# KiCad board r1_panel.kicad_pcb (continued)
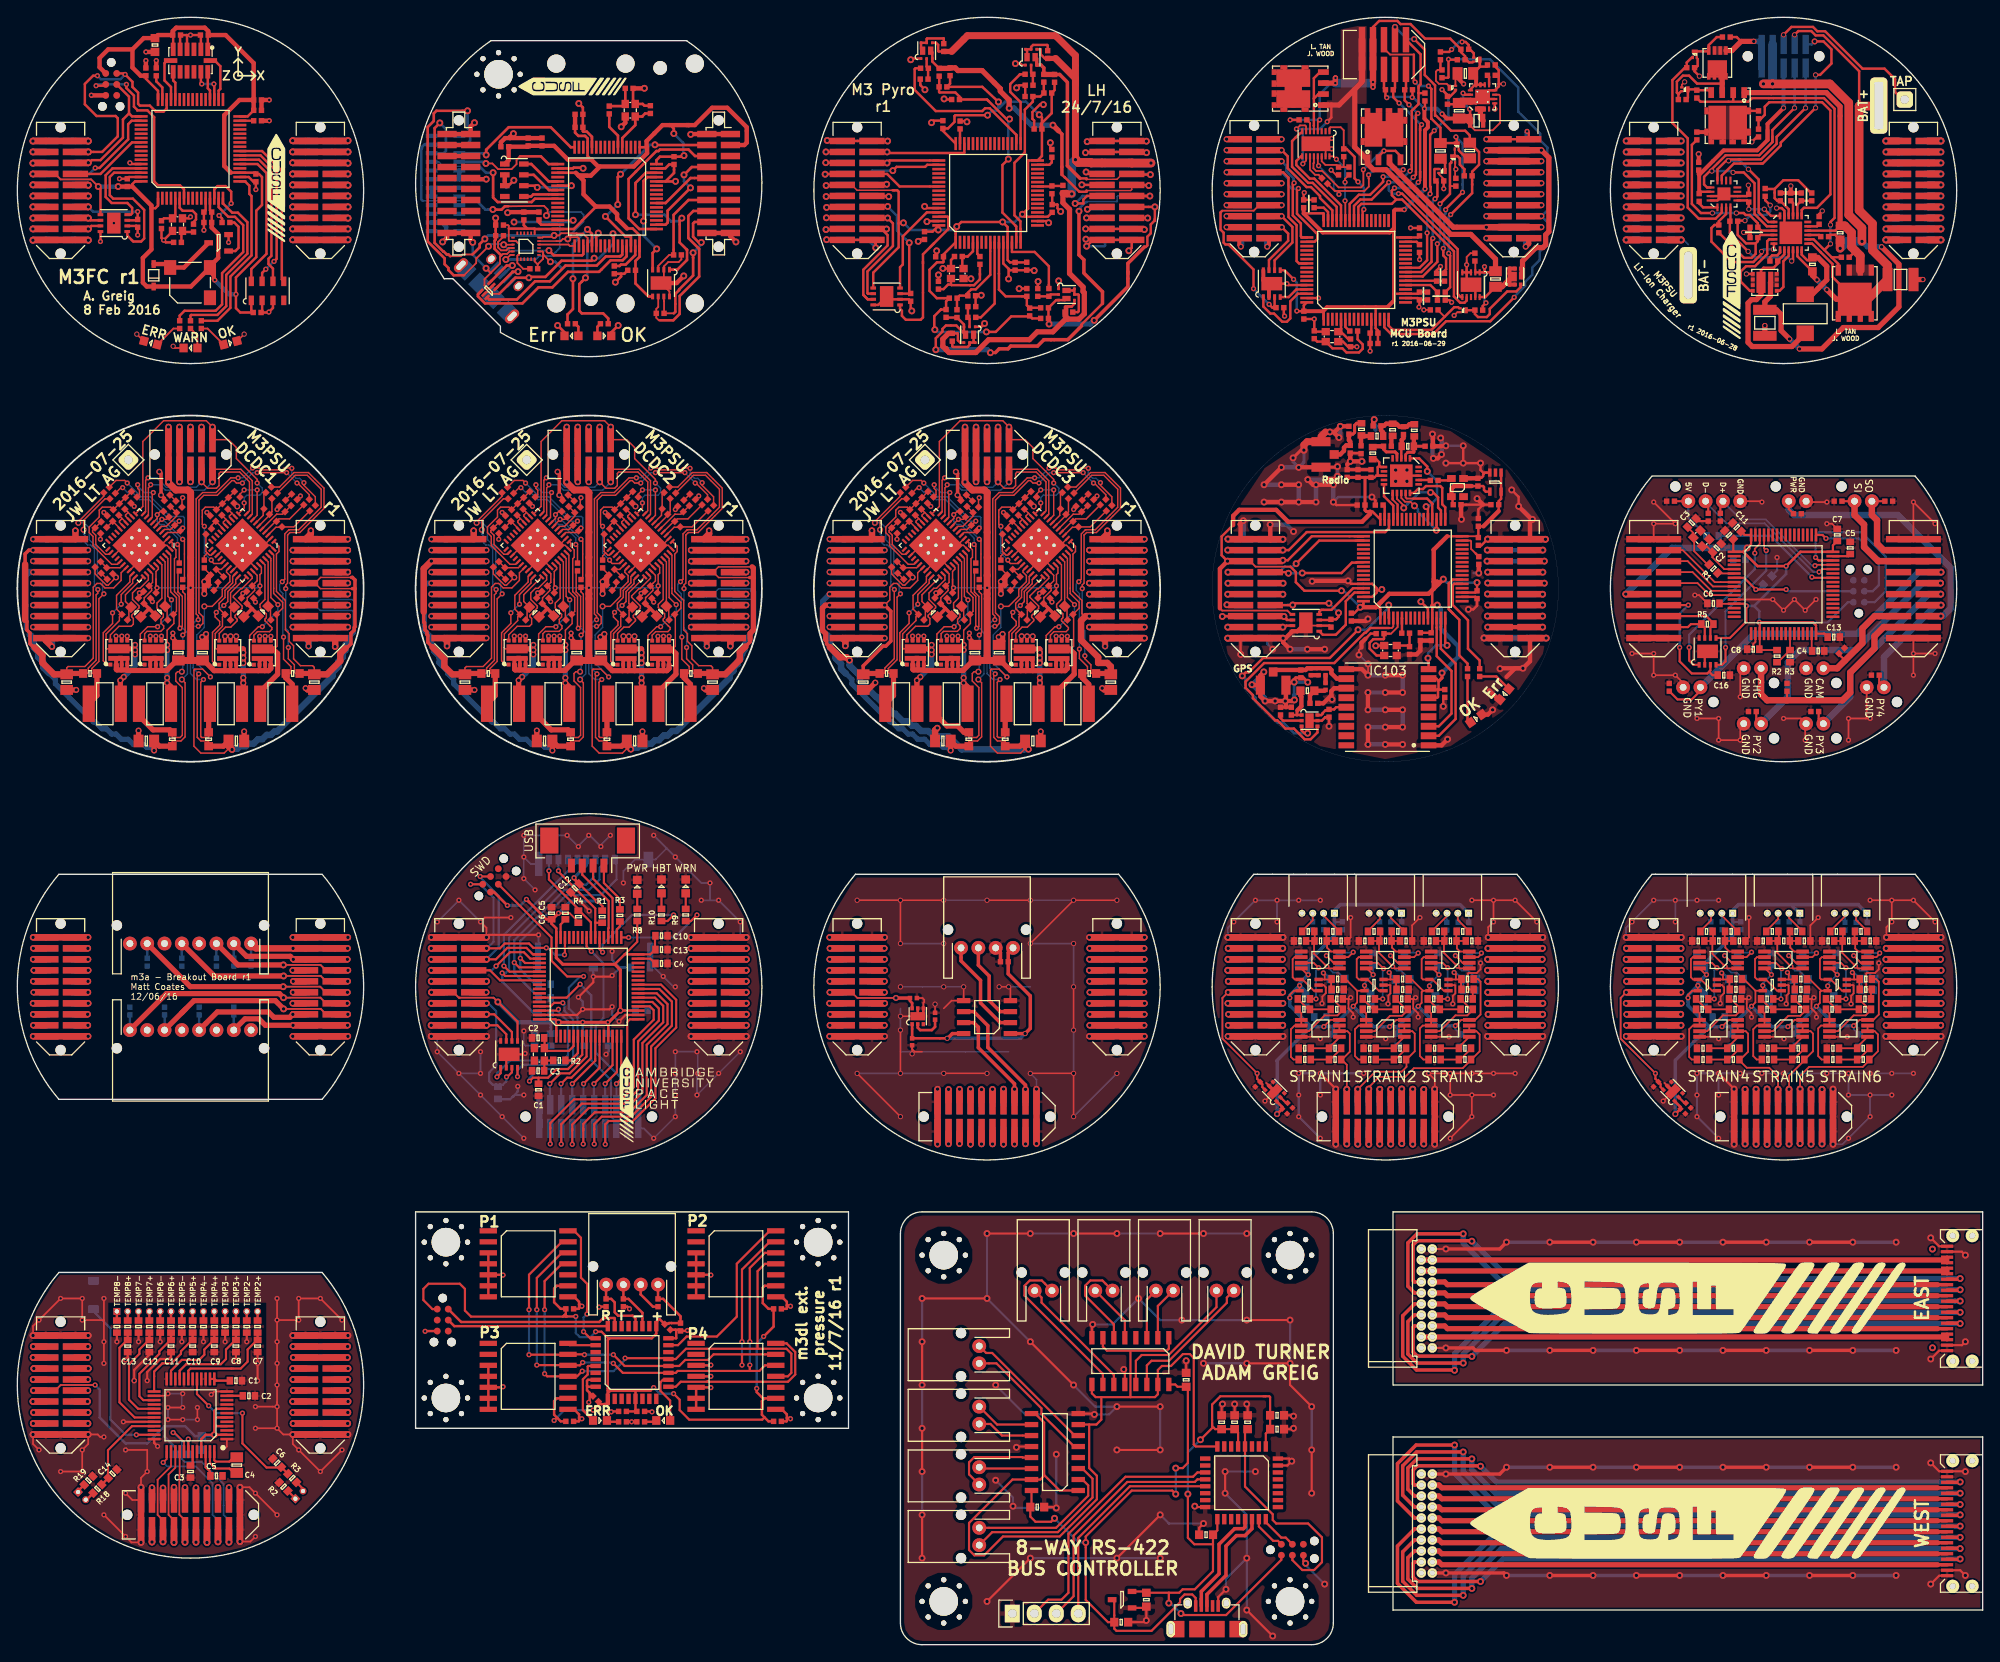
[diagram p0: board, top side]
## Routing (per net, layer and track width the routed paths; a pad name or vN(x,y) marks a point on that pad's centre or on a via; arc(x,y) is an arc through that point) (continued)
/~{INT_PWR_ON}: length 13.3
  Top w0.2: IC4#5.8 148.1,174.53 148.06,174.53
  Top w0.28: 148.07,174.54 147.24,173.7 147.24,170.73 149.1,168.87 149.62,168.87 152.39,166.1 IC1#12.45
/~{MPU_SS}: length 4.2
  Top w0.2: 64.36,161.61 IC1#11.33 63.81,161.59 63.65,161.75 IC4#4.22
/~{RST}: length 82.1
  Top w0.25: v3(204.3,121.9) v3(200.8,121.9) 199.45,123.25 IC1#7.7 ; 60.2,65.5 59.55,65.5 v3(59.15,65.1) ; 60.2,65.5 60.2,64.85 ; 60.2,65.5 61.3,65.5 62.3,66.5 63.6,66.5 65.25,68.15 IC1#3.7 ; P1#2.3 61.7,81.7 61.7,79 63.5,77.2 v3(65.4,77.2)
  Top w0.28: IC1.7 19.25,168.13 18.78,168.6 16.25,168.6 15.8,169.05 15.8,176.47 15.02,177.25 13.85,177.25 13.85,177.3 13.47,177.68 13.47,178.96 12.6,179.83 v3(12.6,180.25) ; v3(9.1,180.1) 10.06,180.1 P1.3
  Bottom w0.25: P1#5.3 204.5,121.7 v3(204.3,121.9) ; v3(65.4,77.2) 65,77.2 63.7,75.9 63.7,73.5 64.7,72.5 64.7,67.6 63.6,66.5 60.2,66.5 59.15,65.45 v3(59.15,65.1) ; C1#17.2 201.1,121.9 v3(200.8,121.9)
  Bottom w0.28: v3(12.6,180.25) 9.25,180.25 v3(9.1,180.1)
/~{SHUTDOWN}: length 26.4
  Top w0.2: 166.1,179.47 Q1#6.G
  Top w0.28: 166.1,179.47 165.49,178.86 R2#12.1 165.18,179.02 v3(164.55,179.65) ; v3(163.66,174.91) 163.18,174.43 163.18,168.47 163.24,168.41 163.24,167.68 v3(163.17,167.61) ; 162.86,163.06 v3(162.83,163.09) 162.83,159.94 161.96,159.07 IC1#12.25
  Bottom w0.28: v3(164.55,179.65) 165.3,178.9 165.3,176.55 v3(163.66,174.91) ; v3(163.17,167.61) 162.83,167.27 v3(162.83,163.09)
VSHORE: length 45
  Top w0.2: v3(152.65,167.55) 152.65,167.94 ; 152.65,167.94 152.16,167.94 C17#7.2 ; 152.65,167.94 155.59,167.94 156.1,168.45 156.1,169.35 156.09,169.35 156.07,169.37 v3(156.07,169.79) ; v3(150.3,170.85) 150.21,170.94 IC4#5.13
  Top w0.28: 176.03,163.75 v2(176.03,163.76) ; 169.68,163.75 v2(169.67,163.75) ; 161.55,168.09 161.55,168.06 ; v3(160.07,170.4) 159.58,169.91 159.58,170.03
  Top w0.6: Q4#5.S1 158.49,171.12 165.86,163.75 v2(169.67,163.75) ; J4#4.17 169.68,163.75 ; J4#4.18 176.03,163.75
  Top w0.8: J4#4.18 J4#4.17
  Bottom w0.2: v3(150.3,170.85) 152.05,169.1 152.05,168.15 v3(152.65,167.55)
  Bottom w0.28: v2(176.03,163.76) 176.03,163.75 ; v2(169.67,163.75) 169.68,163.75 ; v3(160.07,170.4) 160.03,170.44 156.72,170.44 v3(156.07,169.79)
  Bottom w0.6: 176.03,163.75 J5#9.18 ; 169.68,163.75 J5#9.17
  Bottom w0.8: J5#9.18 J5#9.17
Net-(C1-Pad1): length 19.9
  Top w0.28: v4(202.46,166.29) 201.88,166.87 R1#12.1 ; 200.78,161.88 199.68,161.88 198.7,162.86 R5#11.1 198.76,164.51 v4(199.54,164.51) ; 200.78,161.88 201.03,162.13 C1#13.1 201.34,162.85 IC1#13.4 ; 200.78,161.88 200.78,160.68 200.31,160.21 199.43,160.21 196.53,163.11 R2#13.1
  Bottom w0.28: 202.43,166.26 v4(202.46,166.29) 202.46,165.6 202.04,165.18 200.21,165.18 v4(199.54,164.51)
Net-(C1-Pad2): length 38.2
  Top w0.2: 164.78,81.3 164.85,81.38 164.85,82.4 ; 164.78,81.3 164.78,79.93 v3(166.3,78.4) 166.58,78.12 IC1#4.1 ; 164.78,81.3 163.9,81.3 ; 210.78,81.3 210.78,79.93 v3(212.3,78.4) 212.58,78.12 IC1#5.1 ; 210.78,81.3 210.85,81.38 210.85,82.4 ; 210.78,81.3 209.9,81.3
  Top w0.25: IC1#6.14 IC1#6.13
  Top w0.28: 152.75,151.76 152.68,151.69 ; 152.87,151.69 153.71,150.84 C1#11.2 ; Y1#6.1 152.89,152 IC1#12.5 ; 24.5,30.5 22.95,30.5 IC1#6.13 ; 151,110.2 L3#4.1 ; C1.2 16.93,164.78 Y1.1 18.25,165.1 IC1.5
  Top w0.3: IC1#11.5 69.87,174.04 71.37,175.54 Y1#5.1 72.19,176.54 72.19,176.57 72.51,176.89 C1#10.2
  Top w0.5: C1#14.2 149.3,109.7 R1#13.2 151,110.2
  Bottom w0.2: v3(166.3,78.4) 166.83,77.87 167.55,77.87 168.5,76.93 R29.1 ; v3(212.3,78.4) 212.83,77.87 213.55,77.87 214.5,76.93 R29#2.1
Net-(C2-Pad1): length 93.2
  Top w0.16: Q1#3.S1D2 29.69,115.03 30,115.35 30,118.94 C2#8.1 30.64,119.74 30.64,120.41 29.61,121.44 29.61,122.06 29.61,125.87 IC1#8.39 ; IC1#9.39 75.61,125.87 75.61,122.06 75.61,121.44 76.64,120.41 76.64,119.74 C2#9.1 76,118.94 76,115.35 75.69,115.03 Q1#4.S1D2 ; Q1#5.S1D2 121.69,115.03 122,115.35 122,118.94 C2#10.1 122.64,119.74 122.64,120.41 121.61,121.44 121.61,122.06 121.61,125.87 IC1#10.39
  Top w0.28: C2#12.1 150.15,150.53 Y1#6.3 151.9,149.76 153.04,149.76 153.52,149.28 154.96,149.28 155.39,149.71 155.39,150.21 154.8,150.8 R3#11.1 ; 202.97,168.17 203.98,169.18 205.69,169.18 207.17,167.7 207.26,167.7 ; 202.97,168.17 202.97,167.11 203.28,166.81 C2#14.1 204.6,165.84 IC1#13.22 ; 202.97,168.17 201.93,168.17 R1#12.2 ; IC103.14 152.32,108.3 152.1,108.08 152.1,108.05 C2#15.1 151.4,107.95 151.1,107.95 150.76,107.61 150.76,107.55 150.6,107.39 150.18,107.39 IC1#14.6
  Top w0.3: R1#10.1 69.97,177.74 Y1#5.3 C2#11.1
  Top w0.6: Q1#5.S1D2 121.53,115.03 122.07,114.5 122.07,112.11 120.05,110.1 L1#3.2 ; L1#2.2 74.05,110.1 76.07,112.11 76.07,114.5 75.53,115.03 Q1#4.S1D2 ; Q1#3.S1D2 29.53,115.03 30.07,114.5 30.07,112.11 28.05,110.1 L1.2
Net-(C2-Pad2): length 44.2
  Top w0.16: C2#10.2 121.24,118.42 121.24,119.69 D1#4.1 120.97,125.09 IC1#10.37 ; IC1#8.37 28.97,125.09 D1#2.1 29.24,119.69 29.24,118.42 C2#8.2 ; IC1#9.37 74.97,125.09 D1#3.1 75.24,119.69 75.24,118.42 C2#9.2
  Top w0.2: IC1#4.4 166.63,80.07 166.28,80.43 166.28,81.3 ; 166.28,81.3 166.2,81.38 166.2,82.4 ; 166.28,81.3 167.25,81.3 ; IC1#5.4 212.63,80.07 212.28,80.43 212.28,81.3 ; 213.25,81.3 212.28,81.3 ; 212.28,81.3 212.2,81.38 212.2,82.4 ; IC1#7.5 197.15,124.25 195.77,125.63 195.77,126.07 ; Y1#4.2 195.13,126.88 C2#7.2
  Top w0.25: IC1#3.5 64.25,69.15 63.7,68.6 61.2,68.6 Y1#3.2 60.9,68.95 60.9,70.1
  Top w0.28: IC1#6.11 26,28.75
Net-(C3-Pad1): length 4.8
  Top w0.16: R4#8.2 C3#9.1 ; R4#7.2 C3#8.1 ; R4#9.2 C3#10.1
  Top w0.28: C3#13.1 205.1,166.55 IC1#13.21
Net-(C3-Pad2): length 26.9
  Top w0.16: C3#10.2 C5#10.2 122.63,130.59 121.96,130.59 121.95,130.6 IC1#10.5 ; IC1#9.5 75.95,130.6 75.96,130.59 76.63,130.59 C5#9.2 C3#9.2 ; IC1#8.5 29.95,130.6 29.96,130.59 30.63,130.59 C5#8.2 C3#8.2
  Top w0.2: C3#7.2 193.58,128.43 Y1#4.1 ; 195.37,124.83 195.17,124.83 193.68,126.32 193.68,127.71
  Top w0.25: 60.9,66.3 60.88,66.32 Y1#3.1 61.83,67.47 61.85,67.5
  Top w0.28: 148.29,107.35 IC1#14.1 C3#14.2 ; IC1#6.43 20.25,21 20,20.75
  Top w0.35: 147.81,107.4 147.81,107.91 147.87,107.97
  Top w0.5: 147.87,107.97 148.31,108.41 148.31,109.53 148.2,109.64 R1#13.1
Net-(C4-Pad1): length 3.5
  Top w0.25: IC1#6.48 22.75,21.3 22.9,21.15 24.5,21.15 25,21.65
Net-(C4-Pad2): length 29.7
  Top w0.2: C4#7.2 207.25,114.85 IC1#7.31 ; 195.78,81.3 194.9,81.3 ; 195.78,81.3 195.78,79.82 v3(197.25,78.35) 197.48,78.12 IC3#3.1 ; 195.78,81.3 195.85,81.38 195.85,82.4 ; 149.85,82.4 149.85,81.38 149.78,81.3 ; IC3#2.1 151.48,78.12 v3(151.25,78.35) 149.78,79.82 149.78,81.3 ; 149.78,81.3 148.9,81.3
  Top w0.25: IC1#6.47 22.25,21 22.9,20.35 24.5,20.35 25,19.85 ; IC1#3.31 73.1,79.25 73.65,78.7
  Top w0.28: C4#10.2 207.88,163.85 IC1#13.17
  Bottom w0.2: v3(151.25,78.35) 151.95,77.65 152.58,77.65 153.3,76.93 R28.1 ; R28#2.1 199.3,76.93 198.58,77.65 197.95,77.65 v3(197.25,78.35)
Net-(C5-Pad1): length 45.6
  Top w0.25: IC1#6.46 21.75,20.5 22.25,20 22.25,19.5
  Top w0.28: R11#9.2 194.41,178.25 198.16,178.25 ; 208.7,161.13 207.48,162.35 IC1#13.14 ; 208.7,161.13 209.59,160.25 ; 208.7,161.13 208.72,161.13 v4(209.42,161.83) ; Q5#2.G 210.32,159.51 209.59,160.25 ; 209.59,160.25 209.55,160.28 C5#13.1 ; 198.16,178.25 199.94,178.25 200.36,178.66 208.67,178.66 209.89,177.44 209.89,164.83 209.42,164.36 v4(209.42,164.02) ; 198.16,178.25 198.19,178.25 Q4#6.G2 ; C5#14.1 163.15,134.55 IC201.17
  Bottom w0.28: v4(209.42,161.83) v4(209.42,164.02)
Net-(C5-Pad2): length 55.7
  Top w0.2: 197.28,81.3 198.15,81.3 ; 197.28,81.3 197.2,81.38 197.2,82.4 ; 197.28,81.3 197.28,80.53 197.73,80.07 IC3#3.4 ; 151.28,81.3 151.28,80.53 151.73,80.07 IC3#2.4 ; 151.28,81.3 152.15,81.3 ; 151.28,81.3 151.2,81.38 151.2,82.4
  Top w0.25: 63.3,83.75 62.75,83.2 IC1#3.47 ; 211.7,125.95 211.5,125.75 IC1#7.47
  Top w0.28: R17#8.1 209.98,163.35 IC1#13.16 ; 211.58,158.81 Q5#2.S ; 212.32,161 211.59,160.28 C5#13.2 ; IC1#2.5 110.38,160.98 109.77,160.37 C5#2.2 109.14,159.12 Y1#2.1 ; C5#14.2 165.77,134.5
  Top w0.6: 202.57,179.31 208.93,179.31 210.53,177.71 R17#8.1 ; 202.57,179.31 Q4#6.S2 ; 202.57,179.31 202.58,179.31
  Top w1: Q5#2.S 212.86,160.46 211.85,161.47 211.85,163.14 211.08,163.91 R17#8.1
Net-(C6-Pad1): length 24.2
  Top w0.16: IC1#10.6 121.12,130.47 C6#10.1 121.41,130.87 121.41,132.39 R6#7.2 ; R6#5.2 75.41,132.39 75.41,130.87 C6#9.1 75.12,130.47 IC1#9.6 ; IC1#8.6 29.12,130.47 C6#8.1 29.41,130.87 29.41,132.39 R6#6.2
  Top w0.28: C6#13.1 202.43,160.25 202.69,160.5 203.28,160.5 203.6,160.82 IC1#13.7 ; 110.04,157.05 107.9,157.06 107.84,157.12 ; 110.04,157.05 110.5,157.05 111.18,157.73 111.18,158.37 ; 110.04,157.05 110.04,157.06 ; 107.84,157.12 Y1#2.3 ; 107.84,157.12 107.5,157.12 106.98,156.6 C6#2.1 ; 111.18,158.21 111.18,158.37 ; 111.18,158.37 R25.1 ; C6.1 18.95,163.2 Y1.3 19.2,163.2 R5.1
Net-(C6-Pad2): length 32.9
  Top w0.16: R3#9.2 74.48,132.88 C6#9.2 74.4,131.14 74.4,130.46 IC1#9.7 ; IC1#10.7 120.4,130.46 120.4,131.14 C6#10.2 120.48,132.88 R3#10.2 ; R3#8.2 28.48,132.88 C6#8.2 28.4,131.14 28.4,130.46 IC1#8.7
  Top w0.28: Q6#2.S1D2 201.4,158.78 201.69,159.07 202.85,159.07 203.33,159.55 C6#13.2 204.1,160.62 IC1#13.8
  Top w0.6: L1#5.1 204.97,149.97 200.38,149.97 199.9,150.45 199.9,154.99 200.3,155.39 200.86,155.39 201.4,155.93 Q6#2.S1D2
Net-(C7-Pad1): length 15.6
  Top w0.2: C7#4.1 213.9,73.4 R13#3.2 214.1,73.32 213.48,72.7 212.1,72.7 210.28,70.88 IC9#2.3 ; IC9.3 164.28,70.88 166.1,72.7 167.48,72.7 168.1,73.32 R13#2.2 167.9,73.4 C7#3.1
Net-(C8-Pad1): length 52.3
  Top w0.16: IC1#10.3 121.86,129.09 122.53,129.09 C8#9.1 123.93,129.13 R9#6.1 ; IC1#9.3 75.86,129.09 76.53,129.09 C8#8.1 77.93,129.13 R9#4.1 ; R9#5.1 31.93,129.13 C8#7.1 30.53,129.09 29.86,129.09 IC1#8.3
  Top w0.2: C8#3.1 151.9,74.6 R14#2.2 153.1,73.32 152.48,72.7 151,72.7 149.18,70.88 IC5.3 ; C8#4.1 197.9,74.6 R14#3.2 199.1,73.32 198.48,72.7 197,72.7 195.18,70.88 IC5#2.3
  Top w0.28: v4(195.78,165.39) 194.46,165.39 193.41,166.44 193.41,173.26 193.98,173.83 R16#9.1 ; v4(198.55,165.39) 199.4,165.39 199.63,165.16 200.08,165.16 201.03,164.21 C8#12.1 201.43,163.35 IC1#13.3
  Bottom w0.28: v4(195.78,165.39) v4(198.55,165.39)
Net-(C8-Pad2): length 17.4
  Top w0.16: R11#5.1 77.46,130.06 76.22,130.06 C8#8.2 75.83,129.77 IC1#9.4 ; IC1#10.4 121.83,129.77 C8#9.2 122.22,130.06 123.46,130.06 R11#7.1 ; R11#6.1 31.46,130.06 30.22,130.06 C8#7.2 29.83,129.77 IC1#8.4
Net-(C9-Pad1): length 8.5
  Top w0.2: C9#3.1 164.1,73.4 R11#2.2 ; C9#4.1 210.1,73.4 R11#3.2 ; 210.35,73.45 210.35,73.4 212.65,73.4 ; 164.35,73.45 164.35,73.4 166.65,73.4
Net-(C9-Pad2): length 15.6
  Top w0.2: 208.95,67.6 208.4,67.6 208,68 208,71.2 208.33,71.53 IC9#2.2 209.3,72.95 208.85,73.4 ; 162.95,67.6 162.4,67.6 162,68 162,71.2 162.33,71.53 IC9.2 163.3,72.95 162.85,73.4
Net-(C10-Pad1): length 30.8
  Top w0.16: IC1#8.22 22.39,125.87 22.2,125.87 21.97,126.1 ; C10#9.1 113.6,125.77 113.93,126.1 113.97,126.1 ; 21.97,126.1 21.93,126.1 21.6,125.77 C10#7.1 ; 21.97,126.1 21.78,126.28 R8#7.2 ; 113.97,126.1 113.78,126.28 R8#8.2 ; 113.97,126.1 114.2,125.87 114.39,125.87 IC1#10.22 ; 67.97,126.1 67.78,126.28 R8#6.2 ; 67.97,126.1 68.2,125.87 68.39,125.87 IC1#9.22 ; 67.97,126.1 67.93,126.1 67.6,125.77 C10#8.1
  Top w0.2: 151.65,73.4 149.35,73.4 ; R12#2.2 149.1,73.4 C10#4.1 ; C10#5.1 195.1,73.4 R12#3.2 ; 197.65,73.4 195.35,73.4
  Top w0.28: C10#11.1 150.88,166.01 151.39,165.5 IC1#12.47 ; IC1.47 16.75,179.9 16.05,180.6 C10.1
  Top w0.3: IC1#11.47 71.37,160.54 70.26,159.43 69.72,159.43 69.56,159.28 C10#10.1
Net-(C10-Pad2): length 15.6
  Top w0.2: 194.3,72.18 194.3,72.35 ; 194.3,72.18 194.3,72.95 193.85,73.4 ; 194.3,72.18 IC5#2.2 193.53,71.53 193.1,71.1 193.1,67.9 193.4,67.6 193.95,67.6 ; 148.3,72.18 148.3,72.95 147.85,73.4 ; 148.3,72.18 IC5.2 147.53,71.53 147.1,71.1 147.1,67.9 147.4,67.6 147.95,67.6 ; 148.3,72.18 148.3,72.35
Net-(C11-Pad1): length 32.7
  Top w0.16: 24.83,119.66 D2#3.1 ; D2#3.1 24.63,120.27 24.63,121.53 IC1#8.31 ; D2#3.1 24.66,119.49 24.66,118.42 C11#7.1 ; IC1#10.31 116.63,121.53 116.63,120.27 D2#5.1 ; D2#5.1 116.83,119.66 ; D2#5.1 116.66,119.49 116.66,118.42 C11#9.1 ; D2#4.1 70.63,120.27 70.63,121.53 IC1#9.31 ; D2#4.1 70.83,119.66 ; D2#4.1 70.66,119.49 70.66,118.42 C11#8.1
  Top w0.2: IC9.5 166.45,68.97 166.45,68.9 164.45,68.9 ; IC9#2.5 212.45,68.97 212.45,68.9 210.45,68.9
  Top w0.28: C11#11.1 161.62,162.07 IC1#12.31 ; IC1.31 C11.1
  Top w0.3: IC1#11.31 60.51,164.04 60.25,164.3 C11#10.1
Net-(C11-Pad2): length 64.7
  Top w0.16: Q2#4.S1D2 114.92,115.03 114.86,115.09 114.86,116.81 115.69,117.64 115.69,118.73 C11#9.2 115.31,119.69 115.31,120.31 115.99,120.99 115.99,121.79 116.87,122.67 116.87,123.39 IC1#10.29 ; IC1#8.29 24.87,123.39 24.87,122.67 23.99,121.79 23.99,120.99 23.31,120.31 23.31,119.69 C11#7.2 23.69,118.73 23.69,117.64 22.86,116.81 22.86,115.09 22.92,115.03 Q2#2.S1D2 ; Q2#3.S1D2 68.92,115.03 68.86,115.09 68.86,116.81 69.69,117.64 69.69,118.73 C11#8.2 69.31,119.69 69.31,120.31 69.99,120.99 69.99,121.79 70.87,122.67 70.87,123.39 IC1#9.29
  Top w0.6: v2(118.1,111.7) v2(118.1,111.1) 118.1,108.85 L2#3.1 ; L2.1 26.1,108.85 v2(26.1,111.1) v2(26.1,111.7) ; v2(118.1,113.4) v2(118.1,114) v2(118.1,114.6) 118.1,115 118.07,115.03 Q2#4.S1D2 ; L2#2.1 72.1,108.85 v2(72.1,111.1) v2(72.1,111.7) ; v2(72.1,113.4) v2(72.1,114) v2(72.1,114.6) 72.1,115 72.07,115.03 Q2#3.S1D2 ; v2(26.1,113.4) v2(26.1,114) v2(26.1,114.6) 26.1,115 26.07,115.03 Q2#2.S1D2
  Bottom w0.6: v2(26.1,113.4) v2(26.1,114) ; v2(26.1,113.4) v2(26.1,111.7) ; v2(26.1,113.4) v2(26.1,114.6) ; v2(72.1,113.4) v2(72.1,111.7) ; v2(72.1,113.4) v2(72.1,114) ; v2(72.1,113.4) v2(72.1,114.6) ; v2(118.1,113.4) v2(118.1,111.7) ; v2(118.1,113.4) v2(118.1,114) ; v2(118.1,113.4) v2(118.1,114.6)
Net-(C12-Pad1): length 21.7
  Top w0.16: C12#7.1 C9#6.1 23.57,124.22 IC1#8.26 ; C12#9.1 C9#8.1 115.57,124.22 IC1#10.26 ; C12#8.1 C9#7.1 69.57,124.22 IC1#9.26
  Top w0.2: 195.45,68.9 197.45,68.9 198.7,70.15 IC5#2.5 ; 149.45,68.9 151.45,68.9 152.7,70.15 IC5.5 ; 168.36,180.21 IC2#11.12 ; IC2#11.13 167.84,179.69
  Top w0.28: IC2#11.10 IC2#11.11 IC2#11.12 ; 169.8,182.3 168.93,182.3 168.92,182.29 ; 167.84,179.69 168.36,180.21
  Top w0.3: C12#11.1 168.92,182.29 Q2#5.D
  Top w0.45: 169.01,180.23 IC2#11.11 ; IC2#11.12 168.49,181.18 C12#11.1
Net-(C12-Pad2): length 3.4
  Top w0.16: C12#8.2 69.18,122.28 R12#5.1 ; C12#9.2 115.18,122.28 R12#7.1 ; R12#6.1 23.18,122.28 C12#7.2
Net-(C13-Pad1): length 33.5
  Top w0.16: IC1#9.33 73.7,123.53 73.7,122.9 C13#9.1 73.41,122.03 73.41,121.79 72.6,120.98 72.58,120.98 72.56,120.96 72.56,120.32 C4#15.1 ; C4#16.1 118.56,120.32 118.56,120.96 118.58,120.98 118.6,120.98 119.41,121.79 119.41,122.03 C13#10.1 119.7,122.9 119.7,123.53 IC1#10.33 ; 119.1,119.7 119.1,119.67 ; 27.1,119.7 27.1,119.67 ; 27.84,118.97 D1#2.2 ; 119.84,118.97 D1#4.2 ; C4#14.1 26.56,120.32 26.56,120.96 26.58,120.98 26.6,120.98 27.41,121.79 27.41,122.03 C13#8.1 27.7,122.9 27.7,123.53 IC1#8.33 ; 73.84,118.97 D1#3.2 ; 73.1,119.7 73.1,119.67
  Top w0.2: 164.45,67.6 166.65,67.6 167.95,68.9 ; 213.95,68.9 212.65,67.6 210.45,67.6
  Top w0.28: IC2#11.9 169.99,181.11 C13#12.1
  Top w0.4: C4#14.1 27.84,118.97 ; 73.1,119.67 D2#4.2 ; 73.84,118.97 C4#15.1 ; 119.84,118.97 C4#16.1 ; 27.1,119.67 D2#3.2 ; 119.1,119.67 D2#5.2
Net-(C14-Pad1): length 48
  Top w0.16: v3(113.6,129.2) 113.36,129.44 113.36,131.06 113.71,131.41 114.69,131.41 R2#10.1 R18#8.2 C14#8.1 R5#10.1 ; IC1#8.25 23.55,124.9 22.7,124.9 22.5,125.1 22.5,125.2 v3(22.4,125.3) ; IC1#10.25 115.55,124.9 114.7,124.9 114.5,125.1 114.5,125.2 v3(114.4,125.3) ; R5#9.1 C14#7.1 R18#7.2 R2#9.1 68.69,131.41 67.71,131.41 67.36,131.06 67.36,129.44 v3(67.6,129.2) ; v3(21.6,129.2) 21.36,129.44 21.36,131.06 21.71,131.41 22.69,131.41 R2#8.1 R18#6.2 C14#6.1 R5#8.1 ; v3(68.4,125.3) 68.5,125.2 68.5,125.1 68.7,124.9 69.55,124.9 IC1#9.25
  Top w0.2: 152.95,68.9 151.65,67.6 149.45,67.6 ; 195.45,67.6 197.65,67.6 198.95,68.9
  Top w0.28: IC1#2.47 108.88,175.1 C14#2.1
  Bottom w0.16: v3(68.4,125.3) 67.6,126.1 v3(67.6,129.2) ; v3(114.4,125.3) 113.6,126.1 v3(113.6,129.2) ; v3(22.4,125.3) 21.6,126.1 v3(21.6,129.2)
Net-(C15-Pad1): length 7.5
  Top w0.2: IC4#5.14 150.66,171.37 151.08,170.95 152.35,170.95 C15#9.1 153.2,170.7 ; 153.2,170.7 R9#7.1 ; 153.2,170.7 R11#8.1
  Top w0.28: C15#2.1 119.48,171.24 119.2,170.96 IC1#2.31
Net-(C15-Pad2): length 19.4
  Top w0.2: IC6.1 159.08,78.12 v3(158.85,78.35) 157.28,79.93 157.28,81.3 ; IC6#2.1 205.08,78.12 v3(204.85,78.35) 203.28,79.93 203.28,81.3 ; 157.28,81.3 157.45,81.47 157.45,82.4 ; 157.28,81.3 156.4,81.3 ; 203.28,81.3 202.4,81.3 ; 203.28,81.3 203.45,81.47 203.45,82.4
  Bottom w0.2: v3(158.85,78.35) 159.33,77.87 159.8,77.87 160.8,76.88 R30.1 ; R30#2.1 206.8,76.88 205.8,77.87 205.33,77.87 v3(204.85,78.35)
Net-(C16-Pad1): length 3.6
  Top w0.2: C16#9.1 56.15,162.67 55.53,162.04 55.53,161.42 55.86,161.08 56.49,161.08 56.76,161.35 IC4#4.10
Net-(C16-Pad2): length 8.8
  Top w0.2: 158.78,81.3 158.7,81.38 158.7,82.4 ; 158.78,81.3 158.78,80.53 159.23,80.07 IC6.4 ; 158.78,81.3 159.65,81.3 ; 204.78,81.3 204.78,80.53 205.23,80.07 IC6#2.4 ; 204.78,81.3 205.65,81.3 ; 204.78,81.3 204.7,81.38 204.7,82.4
Net-(C17-Pad1): length 69.8
  Top w0.16: C17#5.1 64.08,118.96 64.08,117.97 63.3,117.19 v2(63.3,115.5) ; C17#5.1 64.06,118.98 ; C17#5.1 64.38,119.38 64.38,120.97 63.71,121.64 63.71,125.87 IC2#8.39 ; v2(17.3,115.5) 17.3,117.19 18.08,117.97 18.08,118.96 C17#4.1 ; C17#4.1 18.38,119.38 18.38,120.97 17.71,121.64 17.71,125.87 IC2#7.39 ; C17#4.1 18.06,118.98 ; C17#6.1 110.06,118.98 ; C17#6.1 110.38,119.38 110.38,120.97 109.71,121.64 109.71,125.87 IC2#9.39 ; C17#6.1 110.08,118.96 110.08,117.97 109.3,117.19 v2(109.3,115.5)
  Top w0.2: C17#7.1 150.29,169.81 149.89,169.81 149.3,170.4 149.3,171.33 149.31,171.34 IC4#5.11
  Top w0.6: v2(17.3,115.5) 16.85,115.05 Q3#2.S1D2 15.82,114.9 v2(17.3,114.9) ; v2(109.3,114.9) 107.82,114.9 Q3#4.S1D2 108.85,115.05 v2(109.3,115.5) ; L3#2.2 63.75,110.65 v2(63.3,111.1) ; v2(109.3,111.1) 109.75,110.65 L3#3.2 ; v2(63.3,115.5) 62.85,115.05 Q3#3.S1D2 61.82,114.9 v2(63.3,114.9) ; L3.2 17.75,110.65 v2(17.3,111.1)
  Bottom w0.6: v2(109.3,111.1) v2(109.3,111.7) v2(109.3,114.9) 109.3,114.9 v2(109.3,115.5) ; v2(17.3,111.1) v2(17.3,111.7) v2(17.3,114.9) 17.3,114.9 v2(17.3,115.5) ; v2(63.3,111.1) v2(63.3,111.7) v2(63.3,114.9) 63.3,114.9 v2(63.3,115.5)
Net-(C17-Pad2): length 22.2
  Top w0.16: IC2#8.37 63.07,125.09 D3#3.1 63.3,119.73 63.3,118.46 C17#5.2 ; C17#6.2 109.3,118.46 109.3,119.73 D3#4.1 109.07,125.09 IC2#9.37 ; IC2#7.37 17.07,125.09 D3#2.1 17.3,119.73 17.3,118.46 C17#4.2
Net-(C18-Pad1): length 20
  Top w0.16: C18#4.1 R17#6.2 ; C18#5.1 R17#7.2 ; C18#3.1 R17#5.2
  Top w0.2: C18#6.1 149.31,175.78 IC4#5.6 ; IC8#2.3 202.78,70.88 204.55,72.65 205.93,72.65 206.6,73.32 R25#3.2 206.4,73.4 C18#2.1 ; IC8.3 156.78,70.88 158.55,72.65 159.93,72.65 160.6,73.32 R25#2.2 160.4,73.4 C18.1
Net-(C18-Pad2): length 12.2
  Top w0.16: IC2#7.5 16.65,129.19 17.21,129.19 18.38,130.37 C20#3.2 C18#3.2 ; IC2#9.5 108.65,129.19 109.21,129.19 110.38,130.37 C20#5.2 C18#5.2 ; IC2#8.5 62.65,129.19 63.21,129.19 64.38,130.37 C20#4.2 C18#4.2
Net-(C19-Pad1): length 32.3
  Top w0.16: 15.2,119.7 15.2,119.67 ; 107.2,119.7 107.2,119.67 ; 15.94,118.97 D3#2.2 ; 61.2,119.7 61.2,119.67 ; IC2#8.33 61.62,123.71 61.62,122.72 C28#2.1 61.51,122.03 61.51,121.79 60.66,120.94 60.66,120.32 C19#5.1 ; 107.94,118.97 D3#4.2 ; C19#4.1 14.66,120.32 14.66,120.94 15.51,121.79 15.51,122.03 C28.1 15.62,122.72 15.62,123.71 IC2#7.33 ; C19#6.1 106.66,120.32 106.66,120.94 107.51,121.79 107.51,122.03 C28#3.1 107.62,122.72 107.62,123.71 IC2#9.33 ; 61.94,118.97 D3#3.2
  Top w0.2: R24#2.2 202.6,73.4 C19#2.1 ; 202.85,73.45 202.85,73.4 205.15,73.4 ; C19.1 156.6,73.4 R24.2 ; 156.85,73.45 156.85,73.4 159.15,73.4
  Top w0.4: 61.2,119.67 D4#3.2 ; 15.2,119.67 D4#2.2 ; C19#5.1 61.94,118.97 ; C19#4.1 15.94,118.97 ; C19#6.1 107.94,118.97 ; 107.2,119.67 D4#4.2
Net-(C19-Pad2): length 15.5
  Top w0.2: 155.45,67.6 154.9,67.6 154.5,68 154.5,71.1 154.93,71.53 IC8.2 155.8,72.95 155.35,73.4 ; 201.35,73.4 201.8,72.95 IC8#2.2 200.93,71.53 200.5,71.1 200.5,68 200.9,67.6 201.45,67.6
Net-(C20-Pad1): length 7.7
  Top w0.2: IC8.5 158.95,68.97 158.95,68.9 156.95,68.9 ; 202.95,68.9 204.95,68.9 204.95,68.97 IC8#2.5
Net-(C21-Pad1): length 38.7
  Top w0.16: R19#6.2 65.15,123.05 65.3,123.2 65.3,127.5 v3(65.1,127.7) ; R19#7.2 111.15,123.05 111.3,123.2 111.3,127.5 v3(111.1,127.7) ; C21#4.1 63.24,130.01 v3(62.7,130.01) 61.97,129.28 IC2#8.6 ; C21#3.1 17.24,130.01 v3(16.7,130.01) 15.97,129.28 IC2#7.6 ; C21#5.1 109.24,130.01 v3(108.7,130.01) 107.97,129.28 IC2#9.6 ; R19#5.2 19.15,123.05 19.3,123.2 19.3,127.5 v3(19.1,127.7)
  Top w0.2: 202.95,67.6 205.15,67.6 206.45,68.9 ; 160.45,68.9 159.15,67.6 156.95,67.6
  Bottom w0.16: v3(65.1,127.7) 62.8,130.01 v3(62.7,130.01) ; v3(19.1,127.7) 16.8,130.01 v3(16.7,130.01) ; v3(108.7,130.01) 108.8,130.01 v3(111.1,127.7)
Net-(C21-Pad2): length 26.9
  Top w0.16: IC2#9.7 108.16,130.12 v3(108.16,130.54) 108.53,130.92 C21#5.2 ; R16#5.2 18.7,126.9 v3(18.5,127.1) ; R16#7.2 110.7,126.9 v3(110.5,127.1) ; C21#4.2 62.53,130.92 v3(62.16,130.54) 62.16,130.12 IC2#8.7 ; IC2#7.7 16.16,130.12 v3(16.16,130.54) 16.53,130.92 C21#3.2 ; R16#6.2 64.7,126.9 v3(64.5,127.1)
  Bottom w0.16: v3(62.16,130.54) 62.16,130.27 62.16,130.26 62.16,129.75 62.5,129.4 62.95,129.4 64.5,127.85 v3(64.5,127.1) ; v3(18.5,127.1) 18.5,127.85 16.95,129.4 16.5,129.4 16.16,129.75 16.16,130.26 16.16,130.27 v3(16.16,130.54) ; v3(110.5,127.1) 110.5,127.85 108.95,129.4 108.5,129.4 108.16,129.75 108.16,130.26 108.16,130.27 v3(108.16,130.54)
Net-(C22-Pad1): length 11.9
  Top w0.2: 197,76.85 197,77.45 v3(196.85,77.6) ; 197,76.85 197.7,76.85 197.75,76.9 197.75,75.7 ; 197,76.85 IC4#3.3 ; IC4#2.3 151,76.85 ; 151,76.85 151.7,76.85 151.75,76.9 151.75,75.7 ; 151,76.85 151,77.45 v3(150.85,77.6)
  Bottom w0.2: v3(196.85,77.6) 197,77.6 R28#2.2 197.7,75.7 C22#5.1 ; C22#4.1 151.7,75.7 R28.2 151,77.6 v3(150.85,77.6)
Net-(C23-Pad1): length 43.5
  Top w0.16: v3(19.1,129) 18.82,128.72 C23.1 18.62,128.48 17.35,128.48 IC2#7.3 ; IC2#8.3 63.35,128.48 64.62,128.48 C23#2.1 64.82,128.72 v3(65.1,129) ; R22#3.1 11.4,134.5 12.4,134.5 v3(12.7,134.2) ; R22#4.1 57.4,134.5 58.4,134.5 v3(58.7,134.2) ; v3(111.1,129) 110.82,128.72 C23#3.1 110.62,128.48 109.35,128.48 IC2#9.3 ; R22#5.1 103.4,134.5 104.4,134.5 v3(104.7,134.2)
  Bottom w0.16: v3(111.1,129) 111.3,129.2 111.3,130.2 111.16,130.34 109.66,130.34 107.4,132.6 106.3,132.6 v3(104.7,134.2) ; v3(12.7,134.2) 14.3,132.6 15.4,132.6 17.66,130.34 19.16,130.34 19.3,130.2 19.3,129.2 v3(19.1,129) ; v3(58.7,134.2) 60.3,132.6 61.4,132.6 63.66,130.34 65.16,130.34 65.3,130.2 65.3,129.2 v3(65.1,129)
Net-(C23-Pad2): length 35.6
  Top w0.16: R24#3.1 11.96,133.66 v3(12.16,133.66) ; R24#5.1 103.96,133.66 v3(104.16,133.66) ; 16.74,128.52 IC2#7.4 17,128.84 17.7,128.84 C23.2 18.22,129.32 v3(18.7,129.8) ; v3(64.7,129.8) 64.22,129.32 C23#2.2 63.7,128.84 63,128.84 IC2#8.4 62.74,128.52 ; 108.74,128.52 IC2#9.4 109,128.84 109.7,128.84 C23#3.2 110.22,129.32 v3(110.7,129.8) ; v3(58.16,133.66) 57.96,133.66 R24#4.1
  Bottom w0.16: v3(110.7,129.8) 109.7,129.8 107.22,132.28 106.12,132.28 105.3,133.1 104.73,133.1 v3(104.16,133.66) ; v3(18.7,129.8) 17.7,129.8 15.22,132.28 14.12,132.28 13.3,133.1 12.73,133.1 v3(12.16,133.66) ; v3(64.7,129.8) 63.7,129.8 61.22,132.28 60.12,132.28 59.3,133.1 58.73,133.1 v3(58.16,133.66)
Net-(C24-Pad1): length 9.1
  Top w0.16: IC2#8.26 57.87,124.42 C27#2.1 C24#2.1 ; IC2#7.26 11.87,124.42 C27.1 C24.1 ; IC2#9.26 103.87,124.42 C27#3.1 C24#3.1
Net-(C25-Pad1): length 16.5
  Top w0.16: IC2#8.22 56.59,125.96 56.2,125.96 55.06,127.1 55.06,128.16 54.69,128.53 54.69,128.73 C25#2.1 R21#4.2 ; R21#3.2 C25.1 8.69,128.73 8.69,128.53 9.06,128.16 9.06,127.1 10.2,125.96 10.59,125.96 IC2#7.22 ; IC2#9.22 102.59,125.96 102.2,125.96 101.06,127.1 101.06,128.16 100.69,128.53 100.69,128.73 C25#3.1 R21#5.2
Net-(C26-Pad1): length 31.8
  Top w0.16: D4#3.1 58.88,119.61 58.88,118.54 C26#2.1 ; D4#3.1 58.98,120.02 ; D4#3.1 58.49,120.51 58.49,121.29 IC2#8.31 ; IC2#9.31 104.49,121.29 104.49,120.51 D4#4.1 ; 104.98,120.02 D4#4.1 ; D4#4.1 104.88,119.61 104.88,118.54 C26#3.1 ; 12.98,120.02 D4#2.1 ; D4#2.1 12.88,119.61 12.88,118.54 C26.1 ; D4#2.1 12.49,120.51 12.49,121.29 IC2#7.31
  Top w0.2: 212.75,75.7 212.75,76.9 212.7,76.85 212.15,76.85 ; 212.15,76.85 212.15,77.45 v3(211.95,77.65) ; 212.15,76.85 IC2#5.3 ; IC2#4.3 166.15,76.85 ; 166.15,76.85 166.7,76.85 166.75,76.9 166.75,75.7 ; 166.15,76.85 166.15,77.45 v3(165.95,77.65)
  Bottom w0.2: C26#4.1 167,76.8 R29.2 166.15,77.65 v3(165.95,77.65) ; v3(211.95,77.65) 212.15,77.65 R29#2.2 213,76.8 C26#5.1
Net-(C26-Pad2): length 67.2
  Top w0.16: Q4#2.S1D2 10.34,115.05 10.25,115.14 10.25,116.77 11.79,118.31 11.79,118.73 C26.2 11.46,119.64 11.46,121.23 13,122.77 13,123.43 IC2#7.29 ; IC2#9.29 105,123.43 105,122.77 103.46,121.23 103.46,119.64 C26#3.2 103.79,118.73 103.79,118.31 102.25,116.77 102.25,115.14 102.34,115.05 Q4#4.S1D2 ; IC2#8.29 59,123.43 59,122.77 57.46,121.23 57.46,119.64 C26#2.2 57.79,118.73 57.79,118.31 56.25,116.77 56.25,115.14 56.34,115.05 Q4#3.S1D2
  Top w0.6: L4.1 11.9,108.75 v2(11.9,111.4) v2(12.3,111.8) ; Q4#3.S1D2 59.45,115.05 v2(59.6,114.9) v2(59.6,114.4) ; v2(58.3,111.8) v2(57.9,111.4) 57.9,108.75 L4#2.1 ; L4#3.1 103.9,108.75 v2(103.9,111.4) v2(104.3,111.8) ; v2(105.6,114.4) v2(105.6,114.9) 105.45,115.05 Q4#4.S1D2 ; v2(13.6,114.4) v2(13.6,114.9) 13.45,115.05 Q4#2.S1D2
  Bottom w0.6: v2(59.6,115.5) v2(59.6,114.4) 59.6,113.1 v2(57.9,111.4) ; v2(105.6,115.5) v2(105.6,114.4) 105.6,113.1 v2(103.9,111.4) ; v2(11.9,111.4) 13.6,113.1 v2(13.6,114.4) v2(13.6,115.5)
